# Altium PCB BT612-4-V1.0.PcbDoc (part 3 of 3)
Units mil, origin at the board's own origin, x right, y up, seen from the top; angles counter-clockwise.
Board outline 2224.41 x 905.51 mil, 2 copper layers (Top Layer, Bottom Layer); 57 components, 46 nets, 209 pads, 231 vias.
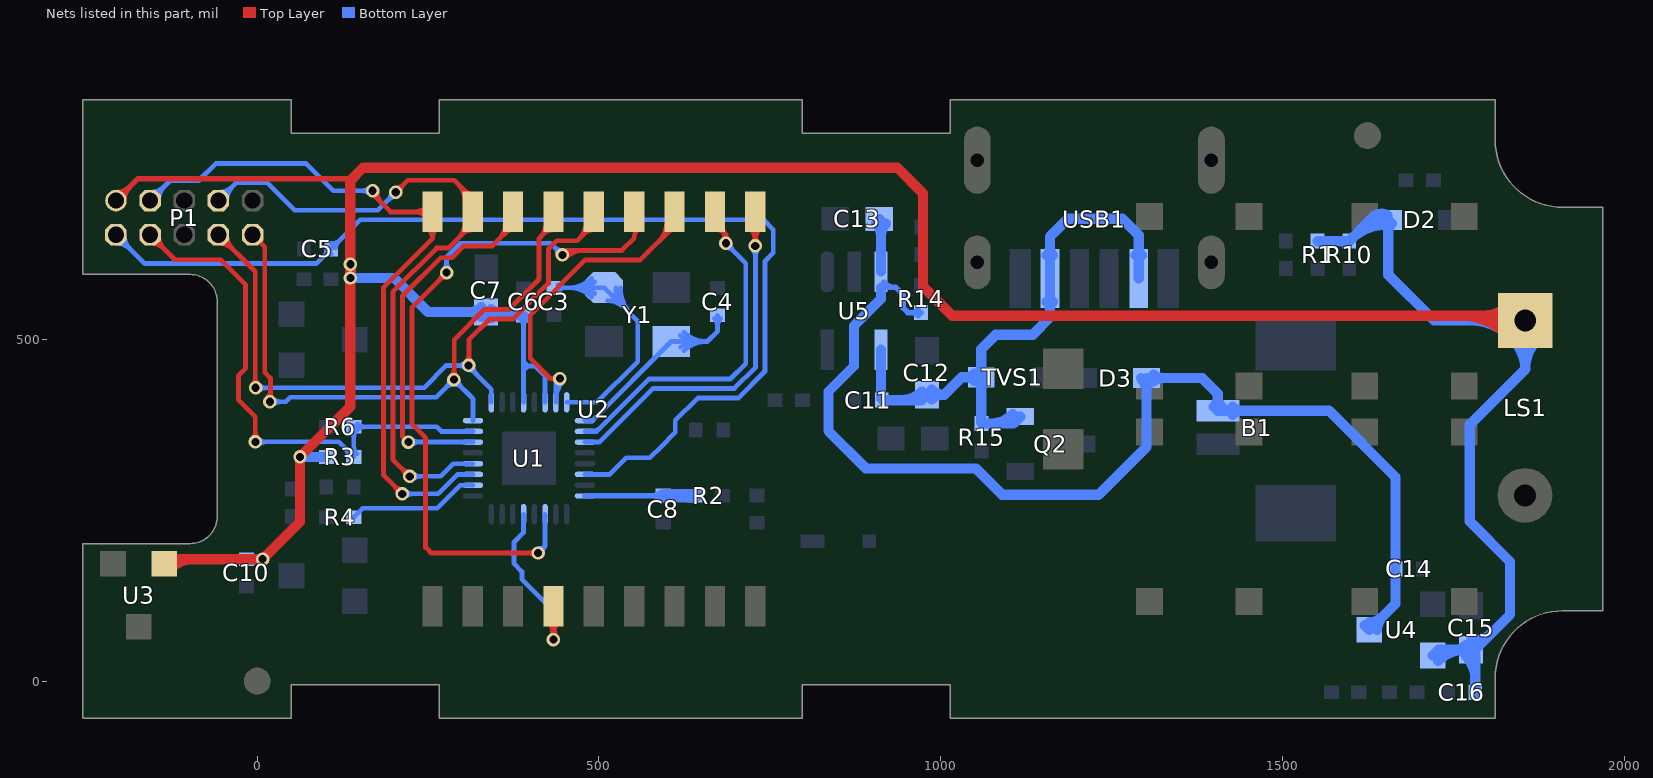
[diagram p3: the nets of this part, all layers, seen from the top]

## Via types
v1: diameter 19.68, hole 11.81, Top Layer to Bottom Layer, tented both sides, 231 vias

## Nets (pads, with @x,y where several pads share a name; then routed paths per layer and width w, separated by ;. In a path a pad name is that pad's centre, name@x,y a point inside that pad or via, vN(x,y) a via of type N, cw(c..) or ccw(c..) an arc to the next point about the centre after c; other vN are vias at no path point) (continued)
PIN4: U1.29 U2.4 | length 630.5
  Top Layer w7: v1@433.47,61.02 U2.4@433.47,109.64 ; U2.4@425.5,86.92 cw(c406.27,67.69) v1@433.47,67.69 ; U2.4@425.5,86.92 cw(c406.27,67.69) v1@433.47,67.69 ; U2.4@425.5,86.92 cw(c406.27,67.69) v1@433.47,67.69 ; v1@428.98,65.11 ccw(c418.15,75.94) 433.47,75.94 ; v1@428.98,65.11 ccw(c418.15,75.94) 433.47,75.94 ; v1@428.98,65.11 ccw(c418.15,75.94) 433.47,75.94 ; v1@428.98,65.11 ccw(c418.15,75.94) 433.47,75.94 ; v1@428.98,65.11 ccw(c418.15,75.94) 433.47,75.94 ; v1@433.47,67.69 cw(c460.66,67.69) U2.4@441.43,86.92 ; v1@433.47,67.69 cw(c460.66,67.69) U2.4@441.43,86.92 ; v1@433.47,67.69 cw(c460.66,67.69) U2.4@441.43,86.92 ; 433.47,75.94 ccw(c448.78,75.94) v1@437.95,65.11 ; 433.47,75.94 ccw(c448.78,75.94) v1@437.95,65.11 ; 433.47,75.94 ccw(c448.78,75.94) v1@437.95,65.11 ; 433.47,75.94 ccw(c448.78,75.94) v1@437.95,65.11 ; 433.47,75.94 ccw(c448.78,75.94) v1@437.95,65.11
  Bottom Layer w7: U1.29@389.77,244.1 389.77,217.47 375.76,203.47 375.76,171.76 387.31,160.22 387.31,148.91 433.47,102.76 v1(433.47,60.63) ; v1@428.98,65.11 ccw(c418.15,75.94) 433.47,75.94 ; v1@428.98,65.11 ccw(c418.15,75.94) 433.47,75.94 ; v1@428.98,65.11 ccw(c418.15,75.94) 433.47,75.94 ; v1@428.98,65.11 ccw(c418.15,75.94) 433.47,75.94 ; v1@428.98,65.11 ccw(c418.15,75.94) 433.47,75.94 ; 433.47,75.94 ccw(c448.78,75.94) v1@437.95,65.11 ; 433.47,75.94 ccw(c448.78,75.94) v1@437.95,65.11 ; 433.47,75.94 ccw(c448.78,75.94) v1@437.95,65.11 ; 433.47,75.94 ccw(c448.78,75.94) v1@437.95,65.11 ; 433.47,75.94 ccw(c448.78,75.94) v1@437.95,65.11
PIN10: U1.19 U2.10 | length 883.3
  Top Layer w7: v1(728.74,636.61) U2.10@728.74,686.42 U2.10@728.74,670.08 ; U2.10@720.78,663.69 cw(c701.55,644.46) v1@728.74,644.46 ; U2.10@720.78,663.69 cw(c701.55,644.46) v1@728.74,644.46 ; U2.10@720.78,663.69 cw(c701.55,644.46) v1@728.74,644.46 ; v1@724.26,641.1 ccw(c713.43,651.93) 728.74,651.93 ; v1@724.26,641.1 ccw(c713.43,651.93) 728.74,651.93 ; v1@724.26,641.1 ccw(c713.43,651.93) 728.74,651.93 ; v1@724.26,641.1 ccw(c713.43,651.93) 728.74,651.93 ; v1@724.26,641.1 ccw(c713.43,651.93) 728.74,651.93 ; v1@728.74,644.46 cw(c755.93,644.46) U2.10@736.71,663.69 ; v1@728.74,644.46 cw(c755.93,644.46) U2.10@736.71,663.69 ; v1@728.74,644.46 cw(c755.93,644.46) U2.10@736.71,663.69 ; 728.74,651.93 ccw(c744.05,651.93) v1@733.23,641.1 ; 728.74,651.93 ccw(c744.05,651.93) v1@733.23,641.1 ; 728.74,651.93 ccw(c744.05,651.93) v1@733.23,641.1 ; 728.74,651.93 ccw(c744.05,651.93) v1@733.23,641.1 ; 728.74,651.93 ccw(c744.05,651.93) v1@733.23,641.1
  Bottom Layer w7: U1.19@479.53,349.6 500.67,349.6 579.19,428.13 698.32,428.13 728.96,458.77 728.96,636.39 v1(728.74,636.61) ; v1@724.26,632.13 cw(c712.9,620.77) 728.96,620.77 ; v1@724.26,632.13 cw(c712.9,620.77) 728.96,620.77 ; v1@724.26,632.13 cw(c712.9,620.77) 728.96,620.77 ; v1@724.26,632.13 cw(c712.9,620.77) 728.96,620.77 ; 728.96,621.83 cw(c743.52,621.83) v1@733.23,632.13 ; 728.96,621.83 cw(c743.52,621.83) v1@733.23,632.13 ; 728.96,621.83 cw(c743.52,621.83) v1@733.23,632.13 ; 728.96,621.83 cw(c743.52,621.83) v1@733.23,632.13
PIN11: U1.18 U2.11 | length 980.1
  Top Layer w7: U2.11@669.69,686.42 669.69,669.69 685.83,653.54 ; v1(685.83,640.55) 685.83,653.54 ; U2.11@670.04,660.39 cw(c670.66,640.34) 684.84,654.53 ; U2.11@670.04,660.39 cw(c670.66,640.34) 684.84,654.53 ; U2.11@670.04,660.39 cw(c670.66,640.34) 684.84,654.53 ; U2.11@677.76,661.61 cw(c656.71,640.55) v1@686.49,640.55 ; U2.11@677.76,661.61 cw(c656.71,640.55) v1@686.49,640.55 ; U2.11@677.76,661.61 cw(c656.71,640.55) v1@686.49,640.55 ; U2.11@677.76,661.61 cw(c656.71,640.55) v1@686.49,640.55 ; U2.11@677.76,661.61 cw(c656.71,640.55) v1@686.49,640.55 ; U2.11@680.66,669.12 ccw(c695.91,665.59) 684.84,654.53 ; U2.11@680.66,669.12 ccw(c695.91,665.59) 684.84,654.53 ; U2.11@680.66,669.12 ccw(c695.91,665.59) 684.84,654.53 ; v1@681.93,645.55 ccw(c675.69,653.54) 685.83,653.54 ; v1@681.93,645.55 ccw(c675.69,653.54) 685.83,653.54 ; v1@681.93,645.55 ccw(c675.69,653.54) 685.83,653.54 ; v1@681.93,645.55 ccw(c675.69,653.54) 685.83,653.54 ; v1@681.93,645.55 ccw(c675.69,653.54) 685.83,653.54 ; 685.83,653.54 ccw(c695.96,653.54) v1@689.73,645.55 ; 685.83,653.54 ccw(c695.96,653.54) v1@689.73,645.55 ; 685.83,653.54 ccw(c695.96,653.54) v1@689.73,645.55 ; 685.83,653.54 ccw(c695.96,653.54) v1@689.73,645.55 ; 685.83,653.54 ccw(c695.96,653.54) v1@689.73,645.55
  Bottom Layer w7: U1.18@479.53,365.35 496.62,365.35 573.4,442.13 692.52,442.13 714.96,464.57 714.96,611.42 v1(685.83,640.55) ; U1.18@490.55,365.79 ccw(c490.55,381.5) 501.66,370.39 ; U1.18@490.55,365.79 ccw(c490.55,381.5) 501.66,370.39 ; U1.18@490.55,365.79 ccw(c490.55,381.5) 501.66,370.39 ; v1@685.83,634.21 cw(c685.83,618.9) 696.66,629.72 ; v1@685.83,634.21 cw(c685.83,618.9) 696.66,629.72 ; v1@685.83,634.21 cw(c685.83,618.9) 696.66,629.72 ; v1@685.83,634.21 cw(c685.83,618.9) 696.66,629.72 ; v1@685.83,634.21 cw(c685.83,618.9) 696.66,629.72 ; v1@692.17,640.55 ccw(c707.48,640.55) 696.66,629.72 ; v1@692.17,640.55 ccw(c707.48,640.55) 696.66,629.72 ; v1@692.17,640.55 ccw(c707.48,640.55) 696.66,629.72 ; v1@692.17,640.55 ccw(c707.48,640.55) 696.66,629.72 ; v1@692.17,640.55 ccw(c707.48,640.55) 696.66,629.72
PIN12: U1.15 U2.12 | length 833.8
  Top Layer w7: v1(442.91,442.52) 429.14,442.52 ; U2.12@610.63,686.42 610.63,666.54 560.24,616.14 480.31,616.14 399.61,535.43 399.61,472.05 429.14,442.52 ; 429.14,442.52 cw(c429.14,430.72) v1@438.1,438.4 ; 429.14,442.52 ccw(c429.14,454.32) v1@438.1,446.64 ; 429.14,442.52 cw(c429.14,430.72) v1@438.1,438.4 ; 429.14,442.52 ccw(c429.14,454.32) v1@438.1,446.64 ; 429.14,442.52 cw(c429.14,430.72) v1@438.1,438.4 ; 429.14,442.52 ccw(c429.14,454.32) v1@438.1,446.64 ; 429.14,442.52 cw(c429.14,430.72) v1@438.1,438.4 ; 429.14,442.52 ccw(c429.14,454.32) v1@438.1,446.64 ; 429.14,442.52 cw(c429.14,430.72) v1@438.1,438.4 ; 429.14,442.52 ccw(c429.14,454.32) v1@438.1,446.64 ; 587.78,643.69 ccw(c559.82,671.65) 599.37,671.65 cw(c559.82,671.65) 587.78,643.69 ; 599.73,655.64 ccw(c583.72,671.65) 606.37,671.65 cw(c583.72,671.65) 599.73,655.64 ; 600.14,656.04 cw(c610.63,645.55) 610.63,660.39 ccw(c610.63,645.55) 600.14,656.04
  Bottom Layer w7: U1.15@437.01,407.87 437.01,436.62 v1(442.91,442.52) ; U1.15@437.01,412.96 cw(c472.48,412.96) v1@447.4,438.03 ; U1.15@437.01,412.96 cw(c472.48,412.96) v1@447.4,438.03 ; U1.15@437.01,412.96 cw(c472.48,412.96) v1@447.4,438.03 ; U1.15@437.01,412.96 cw(c472.48,412.96) v1@447.4,438.03 ; 437.01,429.85 cw(c455.58,429.85) v1@442.45,442.98 ; 437.01,429.85 cw(c455.58,429.85) v1@442.45,442.98 ; 437.01,429.85 cw(c455.58,429.85) v1@442.45,442.98 ; 437.01,429.85 cw(c455.58,429.85) v1@442.45,442.98
PIN13: U1.27 U2.13 | length 1318.6
  Top Layer w7: v1(277.17,597.64) 226.6,547.07 226.6,375.76 246.34,356.02 246.34,195.61 254.55,187.4 318.11,187.4 v1(411.02,187.4) ; v1@452.98,630.14 533.69,630.14 551.58,648.03 cw(c570.71,648.03) U2.13@558.67,662.9 ; 266.34,586.81 cw(c277.17,575.98) 277.17,591.3 ccw(c277.17,575.98) 266.34,586.81 ; 266.34,586.81 ccw(c255.51,597.64) 270.82,597.64 cw(c255.51,597.64) 266.34,586.81 ; 395.71,187.4 cw(c395.71,172.09) 406.54,182.92 ccw(c395.71,172.09) 395.71,187.4 ; 395.71,187.4 ccw(c395.71,202.71) 406.54,191.89 cw(c395.71,202.71) 395.71,187.4 ; v1@445.99,624.09 cw(c460.61,609.47) 460.61,630.14 ccw(c460.61,609.47) v1@445.99,624.09 ; v1@450.94,619.14 cw(c477.51,592.57) 477.51,630.14 ccw(c477.51,592.57) v1@450.94,619.14
  Bottom Layer w7: v1(277.17,597.64) 277.17,620.47 297.24,640.55 429.53,640.55 v1(446.46,623.62) ; v1(411.02,187.4) 421.26,197.63 ; U1.27@421.26,244.09 421.26,197.63 ; 277.17,612.95 cw(c261.85,612.95) 272.68,602.12 ccw(c261.85,612.95) 277.17,612.95 ; 277.17,612.95 ccw(c292.48,612.95) 281.65,602.12 cw(c292.48,612.95) 277.17,612.95 ; 421.26,197.63 cw(c411.83,207.07) 411.28,193.74 ccw(c411.83,207.07) 421.26,197.63 ; 421.26,197.63 ccw(c430.69,188.2) 417.36,187.66 cw(c430.69,188.2) 421.26,197.63 ; 435.63,634.45 cw(c424.8,623.62) 440.11,623.62 ccw(c424.8,623.62) 435.63,634.45 ; 435.63,634.45 ccw(c446.46,645.28) 446.46,629.96 cw(c446.46,645.28) 435.63,634.45
PIN14#UART_RX: P1.8 U1.9 U2.14 | length 1659
  Top Layer w7: P1.8@-56.69,652.95 -2.98,599.24 v1@-2.98,429.13 ; v1@309.84,461.42 309.84,499.61 339.89,529.66 374.03,529.66 426.11,581.74 426.11,632.05 438.21,644.14 468.16,644.14 492.52,668.5 U2.14@492.52,686.42 ; P1.8@-56.69,640.7 cw(c-56.69,611.14) -35.78,632.04 ; P1.8@-56.69,640.7 cw(c-56.69,611.14) -35.78,632.04 ; P1.8@-56.69,640.7 cw(c-56.69,611.14) -35.78,632.04 ; P1.8@-44.44,652.95 ccw(c-14.88,652.95) -35.78,632.04 ; P1.8@-44.44,652.95 ccw(c-14.88,652.95) -35.78,632.04 ; P1.8@-44.44,652.95 ccw(c-14.88,652.95) -35.78,632.04 ; v1@-6.85,433.62 ccw(c-16.19,442.96) -2.98,442.96 ; v1@-6.85,433.62 ccw(c-16.19,442.96) -2.98,442.96 ; v1@-6.85,433.62 ccw(c-16.19,442.96) -2.98,442.96 ; -2.98,445.93 ccw(c14.43,445.93) v1@2.12,433.62 ; -2.98,445.93 ccw(c14.43,445.93) v1@2.12,433.62 ; -2.98,445.93 ccw(c14.43,445.93) v1@2.12,433.62 ; v1@304.96,466.3 ccw(c293.18,478.08) 309.84,478.08 ; v1@304.96,466.3 ccw(c293.18,478.08) 309.84,478.08 ; v1@304.96,466.3 ccw(c293.18,478.08) 309.84,478.08 ; 309.84,476.17 ccw(c323.81,476.17) v1@313.93,466.3 ; 309.84,476.17 ccw(c323.81,476.17) v1@313.93,466.3 ; 309.84,476.17 ccw(c323.81,476.17) v1@313.93,466.3 ; 471.07,647.05 ccw(c446.46,671.65) U2.14@481.26,671.65 ; 471.07,647.05 ccw(c446.46,671.65) U2.14@481.26,671.65 ; 471.07,647.05 ccw(c446.46,671.65) U2.14@481.26,671.65 ; 478.67,654.65 cw(c492.52,640.79) U2.14@492.52,660.39 ; 478.67,654.65 cw(c492.52,640.79) U2.14@492.52,660.39 ; 478.67,654.65 cw(c492.52,640.79) U2.14@492.52,660.39 ; U2.14@483.02,659 ccw(c470.36,671.65) U2.14@488.26,671.65 ; U2.14@483.02,659 ccw(c470.36,671.65) U2.14@488.26,671.65 ; U2.14@483.02,659 ccw(c470.36,671.65) U2.14@488.26,671.65
  Bottom Layer w7: v1(-2.36,429.13) 244.09,429.13 276.77,461.81 v1(309.45,461.81) 309.45,460.12 342.52,427.05 U1.9@342.52,407.87 U1.9@342.52,419.15 ; v1@2.12,424.65 cw(c12.95,413.82) 12.95,429.13 ; v1@2.12,424.65 cw(c12.95,413.82) 12.95,429.13 ; v1@2.12,424.65 cw(c12.95,413.82) 12.95,429.13 ; v1@2.12,433.62 ccw(c12.95,444.45) 12.95,429.13 ; v1@2.12,433.62 ccw(c12.95,444.45) 12.95,429.13 ; v1@2.12,433.62 ccw(c12.95,444.45) 12.95,429.13 ; 294.14,461.81 cw(c294.14,446.5) v1@304.96,457.33 ; 294.14,461.81 ccw(c294.14,477.12) v1@304.96,466.3 ; 294.14,461.81 cw(c294.14,446.5) v1@304.96,457.33 ; 294.14,461.81 ccw(c294.14,477.12) v1@304.96,466.3 ; 294.14,461.81 cw(c294.14,446.5) v1@304.96,457.33 ; 294.14,461.81 ccw(c294.14,477.12) v1@304.96,466.3 ; v1@309.45,455.47 cw(c309.45,444.23) 317.39,452.18 ; v1@309.45,455.47 cw(c309.45,444.23) 317.39,452.18 ; v1@309.45,455.47 cw(c309.45,444.23) 317.39,452.18 ; v1@315.79,461.81 ccw(c335.18,461.81) 321.47,448.1 ; v1@315.79,461.81 ccw(c335.18,461.81) 321.47,448.1 ; v1@315.79,461.81 ccw(c335.18,461.81) 321.47,448.1
PIN15#UART_TX: P1.10 U1.8 U2.15 | length 1392.6
  Top Layer w7: P1.10@-6.69,652.95 11.02,635.24 11.02,451.57 19.29,443.31 v1@19.29,408.66 ; v1@288.19,440.94 288.19,499.61 332.24,543.66 368.23,543.66 412.11,587.54 412.11,647.15 433.47,668.51 U2.15@433.47,686.42 ; v1@14.02,413.15 ccw(c1.29,425.87) 19.29,425.87 ; v1@14.02,413.15 ccw(c1.29,425.87) 19.29,425.87 ; v1@14.02,413.15 ccw(c1.29,425.87) 19.29,425.87 ; 19.29,422.07 ccw(c31.92,422.07) v1@22.99,413.15 ; 19.29,422.07 ccw(c31.92,422.07) v1@22.99,413.15 ; 19.29,422.07 ccw(c31.92,422.07) v1@22.99,413.15 ; 413.69,648.73 ccw(c392.99,669.43) U2.15@422.22,671.03 ; 413.69,648.73 ccw(c392.99,669.43) U2.15@422.22,671.03 ; 413.69,648.73 ccw(c392.99,669.43) U2.15@422.22,671.03 ; 419.61,654.65 cw(c433.47,640.79) U2.15@433.47,660.39 ; 419.61,654.65 cw(c433.47,640.79) U2.15@433.47,660.39 ; 419.61,654.65 cw(c433.47,640.79) U2.15@433.47,660.39 ; v1@283.31,445.43 ccw(c271.53,457.21) 288.19,457.21 cw(c271.53,457.21) v1@283.31,445.43 ; 288.19,455.31 ccw(c302.16,455.31) 292.28,445.43 cw(c302.16,455.31) 288.19,455.31
  Bottom Layer w7: v1(18.5,408.66) 41.95,408.66 48.43,415.13 261.99,415.13 v1(287.8,440.94) 315.75,412.99 U1.8@315.75,381.11 ; v1@22.99,404.18 cw(c33.82,393.35) 33.82,408.66 ; v1@22.99,404.18 cw(c33.82,393.35) 33.82,408.66 ; v1@22.99,404.18 cw(c33.82,393.35) 33.82,408.66 ; v1@22.99,413.15 ccw(c33.82,423.97) 33.82,408.66 ; v1@22.99,413.15 ccw(c33.82,423.97) 33.82,408.66 ; v1@22.99,413.15 ccw(c33.82,423.97) 33.82,408.66 ; 276.97,430.12 cw(c287.8,419.29) v1@287.8,434.6 ; 276.97,430.12 ccw(c266.14,440.94) v1@281.45,440.94 ; 276.97,430.12 cw(c287.8,419.29) v1@287.8,434.6 ; 276.97,430.12 ccw(c266.14,440.94) v1@281.45,440.94 ; 276.97,430.12 cw(c287.8,419.29) v1@287.8,434.6 ; 276.97,430.12 ccw(c266.14,440.94) v1@281.45,440.94 ; v1@287.8,434.6 cw(c287.8,419.29) 298.62,430.12 ; v1@287.8,434.6 cw(c287.8,419.29) 298.62,430.12 ; v1@287.8,434.6 cw(c287.8,419.29) 298.62,430.12 ; v1@294.14,440.94 ccw(c309.45,440.94) 298.62,430.12 ; v1@294.14,440.94 ccw(c309.45,440.94) 298.62,430.12 ; v1@294.14,440.94 ccw(c309.45,440.94) 298.62,430.12
PIN16: U1.6 U2.16 | length 752.5
  Top Layer w7: 213.76,356.32 ccw(c225,367.56) v1@225,351.66 ; v1@214.34,355.74 cw(c203.92,345.32) v1@218.66,345.32 ; v1(221.26,349.61) 220.47,349.61 212.6,357.48 212.6,563.77 268.29,619.46 285.33,619.46 302.48,636.61 344.1,636.61 374.41,666.93 U2.16@374.41,686.42 ; 351.84,644.36 ccw(c324.55,671.65) 363.15,671.65 cw(c324.55,671.65) 351.84,644.36 ; 363.24,655.76 cw(c374.41,644.6) 374.41,660.39 ccw(c374.41,644.6) 363.24,655.76 ; 363.79,656.31 ccw(c348.45,671.65) 370.15,671.65 cw(c348.45,671.65) 363.79,656.31
  Bottom Layer w7: v1(221.26,349.61) U1.6@315.75,349.61 ; v1@225.74,345.12 cw(c236.57,334.29) 236.57,349.61 ; v1@225.74,345.12 cw(c236.57,334.29) 236.57,349.61 ; v1@225.74,345.12 cw(c236.57,334.29) 236.57,349.61 ; v1@225.74,354.09 ccw(c236.57,364.92) 236.57,349.61 ; v1@225.74,354.09 ccw(c236.57,364.92) 236.57,349.61 ; v1@225.74,354.09 ccw(c236.57,364.92) 236.57,349.61
PIN17#SWCLK: P1.7 U1.4 U2.17 | length 1726.1
  Top Layer w7: v1@202.76,711.42 v1(202.76,715.18) 220.47,732.9 288.36,732.9 315.36,705.91 U2.17@315.36,686.42 ; v1@223.11,299.49 198.6,324 198.6,569.57 262.49,633.46 279.53,633.46 U2.17@315.36,669.29 ; v1@202.76,721.52 ccw(c202.76,736.84) 213.58,726.01 ; v1@202.76,721.52 ccw(c202.76,736.84) 213.58,726.01 ; v1@202.76,721.52 ccw(c202.76,736.84) 213.58,726.01 ; v1@209.1,715.18 cw(c224.41,715.18) 213.58,726.01 ; v1@209.1,715.18 cw(c224.41,715.18) 213.58,726.01 ; v1@209.1,715.18 cw(c224.41,715.18) 213.58,726.01 ; 211.99,310.6 ccw(c223.23,321.84) v1@223.23,305.95 ; 211.99,310.6 ccw(c223.23,321.84) v1@223.23,305.95 ; 211.99,310.6 ccw(c223.23,321.84) v1@223.23,305.95 ; 212.57,310.02 cw(c202.15,299.61) v1@216.89,299.61 ; 212.57,310.02 cw(c202.15,299.61) v1@216.89,299.61 ; 212.57,310.02 cw(c202.15,299.61) v1@216.89,299.61 ; 292.78,728.48 cw(c265.49,701.18) U2.17@304.09,701.18 ; 292.78,728.48 cw(c265.49,701.18) U2.17@304.09,701.18 ; 292.78,728.48 cw(c265.49,701.18) U2.17@304.09,701.18 ; 294.46,648.39 ccw(c271.2,671.65) U2.17@304.09,671.65 ; 294.46,648.39 ccw(c271.2,671.65) U2.17@304.09,671.65 ; 294.46,648.39 ccw(c271.2,671.65) U2.17@304.09,671.65 ; 300.16,654.09 cw(c315.36,638.89) U2.17@315.36,660.39 ; 300.16,654.09 cw(c315.36,638.89) U2.17@315.36,660.39 ; 300.16,654.09 cw(c315.36,638.89) U2.17@315.36,660.39 ; 304.2,717.07 ccw(c315.36,728.23) U2.17@315.36,712.44 ; 304.2,717.07 ccw(c315.36,728.23) U2.17@315.36,712.44 ; 304.2,717.07 ccw(c315.36,728.23) U2.17@315.36,712.44 ; 304.73,716.53 cw(c289.39,701.18) U2.17@311.09,701.18 ; 304.73,716.53 cw(c289.39,701.18) U2.17@311.09,701.18 ; 304.73,716.53 cw(c289.39,701.18) U2.17@311.09,701.18
  Bottom Layer w7: P1.7@-56.69,702.95 -30.44,729.2 14.5,729.2 54.72,688.98 176.55,688.98 v1(202.76,715.18) ; v1(223.23,299.61) 268.51,299.61 287.01,318.12 U1.4@315.74,318.12 ; P1.7@-56.69,715.2 ccw(c-56.69,744.77) -35.78,723.86 ; P1.7@-56.69,715.2 ccw(c-56.69,744.77) -35.78,723.86 ; P1.7@-56.69,715.2 ccw(c-56.69,744.77) -35.78,723.86 ; P1.7@-44.44,702.95 cw(c-14.88,702.95) -35.78,723.86 ; P1.7@-44.44,702.95 cw(c-14.88,702.95) -35.78,723.86 ; P1.7@-44.44,702.95 cw(c-14.88,702.95) -35.78,723.86 ; 191.93,704.35 cw(c202.76,693.53) v1@202.76,708.84 ; 191.93,704.35 ccw(c181.1,715.18) v1@196.41,715.18 ; 191.93,704.35 cw(c202.76,693.53) v1@202.76,708.84 ; 191.93,704.35 ccw(c181.1,715.18) v1@196.41,715.18 ; 191.93,704.35 cw(c202.76,693.53) v1@202.76,708.84 ; 191.93,704.35 ccw(c181.1,715.18) v1@196.41,715.18 ; v1@227.71,295.12 cw(c238.54,284.29) 238.54,299.61 ; v1@227.71,295.12 cw(c238.54,284.29) 238.54,299.61 ; v1@227.71,295.12 cw(c238.54,284.29) 238.54,299.61 ; v1@227.71,304.09 ccw(c238.54,314.92) 238.54,299.61 ; v1@227.71,304.09 ccw(c238.54,314.92) 238.54,299.61 ; v1@227.71,304.09 ccw(c238.54,314.92) 238.54,299.61
PIN18#SWDIO: P1.3 U1.3 U2.18 | length 1698.5
  Top Layer w7: v1(168.84,717.38) 168.84,712.66 195.08,686.42 U2.18@256.3,686.42 ; v1(212.2,274.02) 184.6,301.62 184.6,575.37 256.3,647.07 ; U2.18@256.3,700.39 U2.18@256.3,686.42 ; v1@175.18,717.38 ccw(c201.9,717.38) 183.01,698.49 ; v1@175.18,717.38 ccw(c201.9,717.38) 183.01,698.49 ; v1@175.18,717.38 ccw(c201.9,717.38) 183.01,698.49 ; 201.38,284.84 cw(c190.55,274.02) v1@205.86,274.02 ; 201.38,284.84 ccw(c212.2,295.67) v1@212.2,280.36 ; 201.38,284.84 cw(c190.55,274.02) v1@205.86,274.02 ; 201.38,284.84 ccw(c212.2,295.67) v1@212.2,280.36 ; 201.38,284.84 cw(c190.55,274.02) v1@205.86,274.02 ; 201.38,284.84 ccw(c212.2,295.67) v1@212.2,280.36 ; 229.11,686.42 cw(c229.11,659.22) U2.18@248.34,678.45 ; 229.11,686.42 ccw(c229.11,713.61) U2.18@248.34,694.38 ; 229.11,686.42 cw(c229.11,659.22) U2.18@248.34,678.45 ; 229.11,686.42 ccw(c229.11,713.61) U2.18@248.34,694.38 ; 229.11,686.42 cw(c229.11,659.22) U2.18@248.34,678.45 ; 229.11,686.42 ccw(c229.11,713.61) U2.18@248.34,694.38 ; U2.18@248.95,663.12 cw(c235.12,647.08) 256.3,647.08 ; U2.18@248.95,663.12 cw(c235.12,647.08) 256.3,647.08 ; U2.18@248.95,663.12 cw(c235.12,647.08) 256.3,647.08 ; 256.3,647.08 cw(c277.48,647.08) U2.18@263.65,663.12 ; 256.3,647.08 cw(c277.48,647.08) U2.18@263.65,663.12 ; 256.3,647.08 cw(c277.48,647.08) U2.18@263.65,663.12 ; 256.3,647.07 U2.18@256.3,686.42
  Bottom Layer w7: P1.3@-156.69,702.95 -127.26,732.38 -85.53,732.38 -60.72,757.2 71.54,757.2 111.36,717.38 v1(168.84,717.38) ; v1@164.36,712.89 ccw(c153.53,702.07) 153.53,717.38 ccw(c153.53,732.69) v1@164.36,721.86 ; v1(212.2,274.02) 264.85,274.02 293.2,302.37 U1.3@315.75,302.37 ; P1.3@-156.69,715.2 ccw(c-156.69,744.77) -135.78,723.86 ; P1.3@-156.69,715.2 ccw(c-156.69,744.77) -135.78,723.86 ; P1.3@-156.69,715.2 ccw(c-156.69,744.77) -135.78,723.86 ; P1.3@-144.44,702.95 cw(c-114.88,702.95) -135.78,723.86 ; P1.3@-144.44,702.95 cw(c-114.88,702.95) -135.78,723.86 ; P1.3@-144.44,702.95 cw(c-114.88,702.95) -135.78,723.86 ; 155.18,717.38 cw(c155.18,705.83) 164,713.29 ccw(c155.18,705.83) 155.18,717.38 ; 155.18,717.38 ccw(c155.18,728.93) 164,721.47 cw(c155.18,728.93) 155.18,717.38 ; v1@216.69,269.53 cw(c227.52,258.7) 227.52,274.02 ; v1@216.69,269.53 cw(c227.52,258.7) 227.52,274.02 ; v1@216.69,269.53 cw(c227.52,258.7) 227.52,274.02 ; v1@216.69,278.5 ccw(c227.52,289.33) 227.52,274.02 ; v1@216.69,278.5 ccw(c227.52,289.33) 227.52,274.02 ; v1@216.69,278.5 ccw(c227.52,289.33) 227.52,274.02
RF: C8.1 R2.2 U1.24 | length 229
  Bottom Layer w8: U1.24@479.53,270.86 C8.1@594.09,270.86 ; 576.89,270.86 ccw(c576.89,287.78) C8.1@588.85,275.82 ; 576.89,270.86 ccw(c576.89,287.78) C8.1@588.85,275.82 ; 576.89,270.86 ccw(c576.89,287.78) C8.1@588.85,275.82 ; 580.33,270.86 cw(c580.33,258.81) C8.1@588.85,267.33 ; 580.33,270.86 cw(c580.33,258.81) C8.1@588.85,267.33 ; 580.33,270.86 cw(c580.33,258.81) C8.1@588.85,267.33
  Bottom Layer w20: C8.1@594.49,271.26 R2.2@640.63,271.26
RST_N: C5.1 P1.2 U1.22 | length 1855.1
  Bottom Layer w7: P1.2@-206.69,652.95 -164.52,610.78 46.85,610.78 ; 78.81,610.78 46.85,610.78 ; U1.22@479.53,302.36 515.75,302.36 540.16,326.77 574.66,326.77 590.11,342.22 590.25,342.22 611.81,363.78 611.81,381.5 644.44,414.13 704.12,414.13 742.96,452.97 742.96,614.22 755.12,626.38 755.12,660.63 740.91,674.84 150.75,674.84 C5.1@108.19,632.28 86.69,610.78 46.85,610.78 ; P1.2@-206.69,640.7 cw(c-206.69,611.14) -185.78,632.04 ; P1.2@-206.69,640.7 cw(c-206.69,611.14) -185.78,632.04 ; P1.2@-206.69,640.7 cw(c-206.69,611.14) -185.78,632.04 ; P1.2@-194.44,652.95 ccw(c-164.88,652.95) -185.78,632.04 ; P1.2@-194.44,652.95 ccw(c-164.88,652.95) -185.78,632.04 ; P1.2@-194.44,652.95 ccw(c-164.88,652.95) -185.78,632.04 ; 95.39,619.48 cw(c108.19,606.68) C5.1@108.19,624.78 ; 95.39,619.48 cw(c108.19,606.68) C5.1@108.19,624.78 ; 95.39,619.48 cw(c108.19,606.68) C5.1@108.19,624.78 ; 97.8,621.89 ccw(c88.41,631.28) C5.1@101.69,631.28 ; 97.8,621.89 ccw(c88.41,631.28) C5.1@101.69,631.28 ; 97.8,621.89 ccw(c88.41,631.28) C5.1@101.69,631.28 ; C5.1@108.19,639.78 ccw(c108.19,657.89) 120.99,645.09 cw(c108.19,657.89) C5.1@108.19,639.78 ; C5.1@114.69,633.28 cw(c127.97,633.28) 118.58,642.67 ccw(c127.97,633.28) C5.1@114.69,633.28
TM: P1.4 R3.2 R6.2 U1.7 | length 1248.1
  Top Layer w7: P1.4@-156.69,652.95 -120.28,616.54 -53.54,616.54 -16.98,579.97 -16.98,457.43 -27.17,447.24 -27.17,410.99 -2.76,386.58 v1(-2.76,350) ; P1.4@-156.69,640.7 cw(c-156.69,611.14) -135.78,632.04 ; P1.4@-156.69,640.7 cw(c-156.69,611.14) -135.78,632.04 ; P1.4@-156.69,640.7 cw(c-156.69,611.14) -135.78,632.04 ; P1.4@-144.44,652.95 ccw(c-114.88,652.95) -135.78,632.04 ; P1.4@-144.44,652.95 ccw(c-114.88,652.95) -135.78,632.04 ; P1.4@-144.44,652.95 ccw(c-114.88,652.95) -135.78,632.04 ; v1@-7.24,354.48 ccw(c-18.07,365.31) -2.76,365.31 ; v1@-7.24,354.48 ccw(c-18.07,365.31) -2.76,365.31 ; v1@-7.24,354.48 ccw(c-18.07,365.31) -2.76,365.31 ; -2.76,365.31 ccw(c12.56,365.31) v1@1.73,354.48 ; -2.76,365.31 ccw(c12.56,365.31) v1@1.73,354.48 ; -2.76,365.31 ccw(c12.56,365.31) v1@1.73,354.48
  Bottom Layer w7: v1(-2.76,350) 119.21,350 R3.2@141.26,327.95 R6.2@141.26,372.05 ; 128.46,340.76 cw(c115.65,327.95) R3.2@133.76,327.95 ; 141.26,343.65 ccw(c156.95,343.65) R3.2@145.86,332.55 ; R6.2@141.26,373.31 R6.2@141.26,372.05 ; U1.7@315.75,365.36 269.48,365.36 262.79,372.05 R6.2@141.26,372.05 ; v1@1.73,345.52 cw(c12.56,334.69) 12.56,350 ; v1@1.73,345.52 cw(c12.56,334.69) 12.56,350 ; v1@1.73,345.52 cw(c12.56,334.69) 12.56,350 ; v1@1.73,354.48 ccw(c12.56,365.31) 12.56,350 ; v1@1.73,354.48 ccw(c12.56,365.31) 12.56,350 ; v1@1.73,354.48 ccw(c12.56,365.31) 12.56,350 ; R6.2@136.66,367.45 cw(c125.57,356.35) 141.26,356.35 ; R6.2@136.66,367.45 cw(c125.57,356.35) 141.26,356.35 ; R6.2@136.66,367.45 cw(c125.57,356.35) 141.26,356.35 ; 141.26,356.35 cw(c156.95,356.35) R6.2@145.86,367.45 ; 141.26,356.35 cw(c156.95,356.35) R6.2@145.86,367.45 ; 141.26,356.35 cw(c156.95,356.35) R6.2@145.86,367.45 ; R6.2@146.86,367.45 cw(c157.95,356.35) 157.95,372.05 ; R6.2@146.86,367.45 cw(c157.95,356.35) 157.95,372.05 ; R6.2@146.86,367.45 cw(c157.95,356.35) 157.95,372.05 ; R6.2@146.86,376.64 ccw(c157.95,387.74) 157.95,372.05 ; R6.2@146.86,376.64 ccw(c157.95,387.74) 157.95,372.05 ; R6.2@146.86,376.64 ccw(c157.95,387.74) 157.95,372.05
TTA_BL: R4.2 U1.2 | length 193.9
  Bottom Layer w7: R4.2@141.26,239.76 154.25,252.76 263.39,252.76 297.25,286.62 U1.2@315.75,286.62
V+: C11.2 C12.2 Q2.S R15.2 TVS1.2 U5.4 USB1.A9 USB1.B9 | length 1603.1
  Bottom Layer w15: U5.4@912.73,484.98 912.73,413.96 915.67,411.02 971.78,411.02 C12.2@979.85,419.1 1005.32,419.1 1030.71,444.49 TVS1.2@1059.35,444.49 ; R15.2@1059.35,379.16 TVS1.2@1059.35,444.49 ; R15.2@1059.84,376.69 1106.26,376.69 Q2.S@1116.42,386.85 ; USB1.A9@1289.76,588.98 1289.76,652.36 1265.75,676.38 1186.22,676.38 1159.84,650 USB1.B9@1159.84,588.98 1159.84,531.89 1134.65,506.69 1080.31,506.69 1059.35,485.73 TVS1.2@1059.35,444.49 ; 942.26,411.02 ccw(c942.26,454.19) C12.2@972.78,423.67 ; 942.26,411.02 ccw(c942.26,454.19) C12.2@972.78,423.67 ; 942.26,411.02 ccw(c942.26,454.19) C12.2@972.78,423.67 ; C12.2@986.92,412.02 cw(c1003.99,394.95) 1003.99,419.1 ; C12.2@986.92,412.02 cw(c1003.99,394.95) 1003.99,419.1 ; C12.2@986.92,412.02 cw(c1003.99,394.95) 1003.99,419.1 ; C12.2@986.92,426.17 ccw(c1003.99,443.24) 1003.99,419.1 ; C12.2@986.92,426.17 ccw(c1003.99,443.24) 1003.99,419.1 ; C12.2@986.92,426.17 ccw(c1003.99,443.24) 1003.99,419.1 ; 1036.89,444.49 cw(c1036.89,426.95) TVS1.2@1049.29,439.35 ; 1036.89,444.49 ccw(c1036.89,462.03) TVS1.2@1049.29,449.62 ; 1036.89,444.49 cw(c1036.89,426.95) TVS1.2@1049.29,439.35 ; 1036.89,444.49 ccw(c1036.89,462.03) TVS1.2@1049.29,449.62 ; 1036.89,444.49 cw(c1036.89,426.95) TVS1.2@1049.29,439.35 ; 1036.89,444.49 ccw(c1036.89,462.03) TVS1.2@1049.29,449.62 ; TVS1.2@1054.21,439.35 cw(c1041.81,426.95) 1059.35,426.95 ; TVS1.2@1054.21,439.35 cw(c1041.81,426.95) 1059.35,426.95 ; TVS1.2@1054.21,439.35 cw(c1041.81,426.95) 1059.35,426.95 ; TVS1.2@1054.21,449.62 ccw(c1041.81,462.03) 1059.35,462.03 ; TVS1.2@1054.21,449.62 ccw(c1041.81,462.03) 1059.35,462.03 ; TVS1.2@1054.21,449.62 ccw(c1041.81,462.03) 1059.35,462.03 ; 1059.35,426.95 cw(c1076.88,426.95) TVS1.2@1064.48,439.35 ; 1059.35,426.95 cw(c1076.88,426.95) TVS1.2@1064.48,439.35 ; 1059.35,426.95 cw(c1076.88,426.95) TVS1.2@1064.48,439.35 ; 1059.35,462.03 ccw(c1076.88,462.03) TVS1.2@1064.48,449.62 ; 1059.35,462.03 ccw(c1076.88,462.03) TVS1.2@1064.48,449.62 ; 1059.35,462.03 ccw(c1076.88,462.03) TVS1.2@1064.48,449.62 ; USB1.B9@1155.4,555.01 cw(c1144.68,544.29) 1159.84,544.29 ; USB1.B9@1155.4,555.01 cw(c1144.68,544.29) 1159.84,544.29 ; USB1.B9@1155.4,555.01 cw(c1144.68,544.29) 1159.84,544.29 ; USB1.B9@1155.4,622.94 ccw(c1144.68,633.66) 1159.84,633.66 ; USB1.B9@1155.4,622.94 ccw(c1144.68,633.66) 1159.84,633.66 ; USB1.B9@1155.4,622.94 ccw(c1144.68,633.66) 1159.84,633.66 ; 1159.84,544.29 cw(c1175,544.29) USB1.B9@1164.28,555.01 ; 1159.84,544.29 cw(c1175,544.29) USB1.B9@1164.28,555.01 ; 1159.84,544.29 cw(c1175,544.29) USB1.B9@1164.28,555.01 ; 1159.84,633.66 ccw(c1175,633.66) USB1.B9@1164.28,622.94 ; 1159.84,633.66 ccw(c1175,633.66) USB1.B9@1164.28,622.94 ; 1159.84,633.66 ccw(c1175,633.66) USB1.B9@1164.28,622.94 ; USB1.A9@1285.32,622.94 ccw(c1274.6,633.66) 1289.76,633.66 ; USB1.A9@1285.32,622.94 ccw(c1274.6,633.66) 1289.76,633.66 ; USB1.A9@1285.32,622.94 ccw(c1274.6,633.66) 1289.76,633.66 ; 1289.76,633.66 ccw(c1304.92,633.66) USB1.A9@1294.2,622.94 ; 1289.76,633.66 ccw(c1304.92,633.66) USB1.A9@1294.2,622.94 ; 1289.76,633.66 ccw(c1304.92,633.66) USB1.A9@1294.2,622.94 ; 1072.32,376.69 ccw(c1072.32,423.44) 1105.38,390.39 cw(c1072.32,423.44) 1072.32,376.69
VBAT: B1.1 C13.2 C14.2 D3.2 R14.2 U4.3 U5.3 | length 2411
  Bottom Layer w8: U5.3@912.73,575.98 934.33,575.98 ; R14.2@971.26,539.06 951.89,539.06 945.43,545.52 945.43,564.89 934.33,575.98 ; U5.3@916.98,583.47 ccw(c934.33,599.82) 934.33,575.98 ; U5.3@916.98,583.47 ccw(c934.33,599.82) 934.33,575.98 ; U5.3@916.98,583.47 ccw(c934.33,599.82) 934.33,575.98 ; 956.77,539.06 cw(c956.77,524.57) R14.2@967.02,534.81 ; 956.77,539.06 ccw(c956.77,553.54) R14.2@967.02,543.3 ; 956.77,539.06 cw(c956.77,524.57) R14.2@967.02,534.81 ; 956.77,539.06 ccw(c956.77,553.54) R14.2@967.02,543.3 ; 956.77,539.06 cw(c956.77,524.57) R14.2@967.02,534.81 ; 956.77,539.06 ccw(c956.77,553.54) R14.2@967.02,543.3
  Bottom Layer w15: C13.2@910.17,676.25 912.73,673.69 U5.3@912.73,599.15 ; U5.3@912.73,575.98 912.73,559.19 873.23,519.69 873.23,461.02 835.83,423.62 835.83,365.75 890.38,311.19 1051.41,311.19 1090.16,272.44 1231.1,272.44 1301.28,342.62 D3.2@1301.28,443.31 1382.68,443.31 1405.51,420.47 B1.1@1405.51,395.47 1568.31,395.47 1665.43,298.35 C14.2@1665.43,164.17 1665.43,112.87 U4.3@1627.36,74.8 U4.3@1620.67,81.5 ; D3.2@1293.01,443.31 D3.2@1297.15,439.17 ; C13.2@905.6,669.18 cw(c888.38,651.96) 912.73,651.96 ; C13.2@905.6,669.18 cw(c888.38,651.96) 912.73,651.96 ; C13.2@905.6,669.18 cw(c888.38,651.96) 912.73,651.96 ; 912.73,652.25 cw(c936.67,652.25) C13.2@919.74,669.18 ; 912.73,652.25 cw(c936.67,652.25) C13.2@919.74,669.18 ; 912.73,652.25 cw(c936.67,652.25) C13.2@919.74,669.18 ; D3.2@1296.15,438.17 cw(c1283.75,425.77) 1301.28,425.77 ; D3.2@1296.15,438.17 cw(c1283.75,425.77) 1301.28,425.77 ; D3.2@1296.15,438.17 cw(c1283.75,425.77) 1301.28,425.77 ; 1301.28,425.77 cw(c1318.82,425.77) D3.2@1306.42,438.17 ; 1301.28,425.77 cw(c1318.82,425.77) D3.2@1306.42,438.17 ; 1301.28,425.77 cw(c1318.82,425.77) D3.2@1306.42,438.17 ; D3.2@1311.34,438.17 cw(c1323.74,425.77) 1323.74,443.31 ; D3.2@1311.34,438.17 cw(c1323.74,425.77) 1323.74,443.31 ; D3.2@1311.34,438.17 cw(c1323.74,425.77) 1323.74,443.31 ; D3.2@1311.34,448.44 ccw(c1323.74,460.84) 1323.74,443.31 ; D3.2@1311.34,448.44 ccw(c1323.74,460.84) 1323.74,443.31 ; D3.2@1311.34,448.44 ccw(c1323.74,460.84) 1323.74,443.31 ; B1.1@1399.68,401.3 ccw(c1385.6,415.38) 1405.51,415.38 ; B1.1@1399.68,401.3 ccw(c1385.6,415.38) 1405.51,415.38 ; B1.1@1399.68,401.3 ccw(c1385.6,415.38) 1405.51,415.38 ; 1405.51,415.38 ccw(c1425.43,415.38) B1.1@1411.35,401.3 ; 1405.51,415.38 ccw(c1425.43,415.38) B1.1@1411.35,401.3 ; 1405.51,415.38 ccw(c1425.43,415.38) B1.1@1411.35,401.3 ; B1.1@1427.09,389.64 cw(c1441.17,375.56) 1441.17,395.47 ; B1.1@1427.09,389.64 cw(c1441.17,375.56) 1441.17,395.47 ; B1.1@1427.09,389.64 cw(c1441.17,375.56) 1441.17,395.47 ; B1.1@1427.09,401.3 ccw(c1441.17,415.38) 1441.17,395.47 ; B1.1@1427.09,401.3 ccw(c1441.17,415.38) 1441.17,395.47 ; B1.1@1427.09,401.3 ccw(c1441.17,415.38) 1441.17,395.47 ; 1646.48,93.92 cw(c1627.36,113.05) 1627.36,86 ccw(c1627.36,113.05) 1646.48,93.92 ; 1646.48,93.92 ccw(c1665.61,74.8) 1638.56,74.8 cw(c1665.61,74.8) 1646.48,93.92
VCC3: C6.1 C7.1 C10.1 C15.2 C16.2 D2.2 LS1.1 P1.1 R1.2 R3.1 R10.1 U1.12 U1.14 U3.1 U4.2 | length 7085.2
  Top Layer w8: P1.1@-206.69,702.95 -175,734.65 133.86,734.65 136.22,732.28 ; P1.1@-206.69,714.7 ccw(c-206.69,743.06) -186.64,723.01 ; P1.1@-206.69,714.7 ccw(c-206.69,743.06) -186.64,723.01 ; P1.1@-206.69,714.7 ccw(c-206.69,743.06) -186.64,723.01 ; P1.1@-194.94,702.95 cw(c-166.58,702.95) -186.64,723.01 ; P1.1@-194.94,702.95 cw(c-166.58,702.95) -186.64,723.01 ; P1.1@-194.94,702.95 cw(c-166.58,702.95) -186.64,723.01
  Top Layer w15: P1.1@-206.69,702.95 P1.1@-204.02,702.95 ; U3.1@-136.22,171.85 -129.72,178.35 v1(7.8,178.35) 62.6,233.15 v1(62.6,327.95) 136.22,401.57 136.22,732.28 154.83,750.9 936.9,750.9 974.02,713.78 974.02,577.56 1016.93,534.64 1848.2,534.64 LS1.1@1855.28,527.56 ; U3.1@-128.3,163.93 cw(c-93.5,129.13) -93.5,178.35 ccw(c-93.5,129.13) U3.1@-128.3,163.93 ; 1759.72,534.64 cw(c1759.72,432) 1832.3,504.58 ccw(c1759.72,432) 1759.72,534.64 ; 1793.92,534.64 ccw(c1793.92,588.92) 1832.3,550.54 cw(c1793.92,588.92) 1793.92,534.64 ; 1795.94,534.64 cw(c1795.94,468.21) 1842.91,515.18 ccw(c1795.94,468.21) 1795.94,534.64
  Bottom Layer w7: 389.77,451.57 U1.12@389.77,407.88 389.77,461.02 ; C6.1@389.77,534.72 389.77,461.02 ; 390.05,454.61 396.46,461.02 ; 390.56,466.73 396.46,460.83 ; U1.14@421.26,407.87 421.26,445.67 405.91,461.02 389.77,461.02 ; C6.1@385.17,530.13 cw(c374.05,519.01) 389.77,519.01 ; C6.1@385.17,530.13 cw(c374.05,519.01) 389.77,519.01 ; C6.1@385.17,530.13 cw(c374.05,519.01) 389.77,519.01 ; 389.77,519.05 cw(c405.44,519.05) C6.1@394.36,530.13 ; 389.77,519.05 cw(c405.44,519.05) C6.1@394.36,530.13 ; 389.77,519.05 cw(c405.44,519.05) C6.1@394.36,530.13
  Bottom Layer w15: C10.1@-15.75,178.35 v1(7.8,178.35) ; v1(62.6,327.95) R3.1@101.26,327.95 ; v1(136.22,589.76) 200.39,589.76 250.33,539.83 334.84,539.83 C7.1@334.97,539.96 ; v1@136.22,590.94 v1(136.22,609.84) ; C7.1@334.97,534.72 C6.1@389.76,534.72 ; R1.2@1551.38,643.62 R10.1@1597.64,643.62 1628.82,674.8 D2.2@1655.02,674.8 1655.02,594.59 1722.05,527.56 LS1.1@1855.28,527.56 1855.28,456.46 ; U4.2@1719.88,37.4 1728.35,45.87 C15.2@1775.92,45.87 1782.21,39.58 C16.2@1782.21,-16.54 ; C15.2@1781.69,45.87 1833.07,97.24 1833.07,174.8 1774.02,233.86 1774.02,375.2 1855.28,456.46 ; 310.51,539.83 ccw(c310.51,564.42) C7.1@327.9,547.03 ; 310.51,539.83 ccw(c310.51,564.42) C7.1@327.9,547.03 ; 310.51,539.83 ccw(c310.51,564.42) C7.1@327.9,547.03 ; 311.14,539.83 cw(c311.14,516.13) C7.1@327.9,532.89 ; 311.14,539.83 cw(c311.14,516.13) C7.1@327.9,532.89 ; 311.14,539.83 cw(c311.14,516.13) C7.1@327.9,532.89 ; C7.1@342.04,530.39 cw(c352.5,519.93) 352.5,534.72 ; C7.1@342.04,530.39 cw(c352.5,519.93) 352.5,534.72 ; C7.1@342.04,530.39 cw(c352.5,519.93) 352.5,534.72 ; C7.1@342.04,544.53 ccw(c365.72,568.21) 365.72,534.72 ; C7.1@342.04,544.53 ccw(c365.72,568.21) 365.72,534.72 ; C7.1@342.04,544.53 ccw(c365.72,568.21) 365.72,534.72 ; 1632.56,674.8 cw(c1632.56,657.27) D2.2@1644.96,669.67 ; 1632.56,674.8 ccw(c1632.56,692.34) D2.2@1644.96,679.94 ; 1632.56,674.8 cw(c1632.56,657.27) D2.2@1644.96,669.67 ; 1632.56,674.8 ccw(c1632.56,692.34) D2.2@1644.96,679.94 ; 1632.56,674.8 cw(c1632.56,657.27) D2.2@1644.96,669.67 ; 1632.56,674.8 ccw(c1632.56,692.34) D2.2@1644.96,679.94 ; D2.2@1649.88,669.67 cw(c1637.48,657.27) 1655.02,657.27 ; D2.2@1649.88,669.67 cw(c1637.48,657.27) 1655.02,657.27 ; D2.2@1649.88,669.67 cw(c1637.48,657.27) 1655.02,657.27 ; 1655.02,657.27 cw(c1672.55,657.27) D2.2@1660.15,669.67 ; 1655.02,657.27 cw(c1672.55,657.27) D2.2@1660.15,669.67 ; 1655.02,657.27 cw(c1672.55,657.27) D2.2@1660.15,669.67 ; U4.2@1727.8,29.48 cw(c1767.36,-10.08) C15.2@1767.36,45.87 ; U4.2@1727.8,29.48 cw(c1767.36,-10.08) C15.2@1767.36,45.87 ; U4.2@1727.8,29.48 cw(c1767.36,-10.08) C15.2@1767.36,45.87 ; 1751.77,45.87 cw(c1751.77,21.72) C15.2@1768.84,38.8 ; 1751.77,45.87 ccw(c1751.77,70.01) C15.2@1768.84,52.94 ; 1751.77,45.87 cw(c1751.77,21.72) C15.2@1768.84,38.8 ; 1751.77,45.87 ccw(c1751.77,70.01) C15.2@1768.84,52.94 ; 1751.77,45.87 cw(c1751.77,21.72) C15.2@1768.84,38.8 ; 1751.77,45.87 ccw(c1751.77,70.01) C15.2@1768.84,52.94 ; C15.2@1768.84,36.3 cw(c1736.59,4.04) 1782.21,4.04 ; C15.2@1768.84,36.3 cw(c1736.59,4.04) 1782.21,4.04 ; C15.2@1768.84,36.3 cw(c1736.59,4.04) 1782.21,4.04 ; C15.2@1775.92,58.37 ccw(c1775.92,102.49) 1807.12,71.29 ; C15.2@1775.92,58.37 ccw(c1775.92,102.49) 1807.12,71.29 ; C15.2@1775.92,58.37 ccw(c1775.92,102.49) 1807.12,71.29 ; 1776.82,527.56 cw(c1776.82,449.1) 1832.3,504.58 ccw(c1776.82,449.1) 1776.82,527.56 ; 1776.82,527.56 ccw(c1776.82,606.02) 1832.3,550.54 cw(c1776.82,606.02) 1776.82,527.56 ; 1813.03,527.56 cw(c1813.03,485.31) 1842.91,515.18 ccw(c1813.03,485.31) 1813.03,527.56 ; 1813.03,527.56 ccw(c1813.03,569.81) 1842.91,539.93 cw(c1813.03,569.81) 1813.03,527.56 ; 1855.28,456.47 cw(c1916.79,456.47) 1876.55,502.98 ccw(c1916.79,456.47) 1855.28,456.47 ; 1855.28,456.47 ccw(c1793.78,456.47) 1834.02,502.98 cw(c1793.78,456.47) 1855.28,456.47 ; R10.1@1601.37,647.36 cw(c1650.1,598.63) 1650.1,667.54 ccw(c1650.1,598.63) R10.1@1601.37,647.36 ; 1618.18,664.16 cw(c1635.28,647.07) 1646.67,668.4 ccw(c1635.28,647.07) 1618.18,664.16 ; 1626.98,672.96 cw(c1650.1,649.85) 1650.1,682.54 ccw(c1650.1,649.85) 1626.98,672.96 ; 1632.49,678.47 cw(c1645.24,665.72) 1653.74,681.63 ccw(c1645.24,665.72) 1632.49,678.47
XTAL_16M_I: C3.1 U1.16 Y1.1 | length 946.2
  Bottom Layer w7: C3.1@444.36,575.59 Y1.1@507.48,575.59 556.69,526.38 556.69,467.44 497.13,407.88 U1.16@452.76,407.88 ; C3.1@439.85,570.52 cw(c452.09,558.29) 452.09,575.59 ; C3.1@439.85,570.52 cw(c452.09,558.29) 452.09,575.59 ; C3.1@439.85,570.52 cw(c452.09,558.29) 452.09,575.59 ; C3.1@439.85,579.71 ccw(c449.8,589.67) 449.8,575.59 ; C3.1@439.85,579.71 ccw(c449.8,589.67) 449.8,575.59 ; C3.1@439.85,579.71 ccw(c449.8,589.67) 449.8,575.59 ; 456.36,575.59 cw(c456.36,529.39) 489.03,562.06 ccw(c456.36,529.39) 456.36,575.59 ; 456.36,575.59 ccw(c456.36,621.79) 489.03,589.12 cw(c456.36,621.79) 456.36,575.59 ; 473.26,575.59 cw(c473.26,546.29) 493.98,567.01 ccw(c473.26,546.29) 473.26,575.59 ; 473.26,575.59 ccw(c473.26,604.89) 493.98,584.17 cw(c473.26,604.89) 473.26,575.59 ; Y1.1@512.4,556.45 cw(c512.4,522.13) 536.67,546.4 ; Y1.1@512.4,556.45 cw(c512.4,522.13) 536.67,546.4 ; Y1.1@512.4,556.45 cw(c512.4,522.13) 536.67,546.4 ; Y1.1@524.54,575.59 ccw(c565.72,575.59) 536.6,546.47 ; Y1.1@524.54,575.59 ccw(c565.72,575.59) 536.6,546.47 ; Y1.1@524.54,575.59 ccw(c565.72,575.59) 536.6,546.47 ; Y1.1@531.54,575.59 ccw(c589.62,575.59) 548.55,534.52 ; Y1.1@531.54,575.59 ccw(c589.62,575.59) 548.55,534.52 ; Y1.1@531.54,575.59 ccw(c589.62,575.59) 548.55,534.52
XTAL_16M_O: C4.2 U1.17 Y1.3 | length 582.7
  Bottom Layer w7: U1.17@479.53,381.1 490.16,381.1 Y1.3@605.91,496.85 658.66,496.85 673.62,511.81 C4.2@673.62,535.12 ; 640.13,496.85 cw(c640.13,526.15) 619.41,505.43 ccw(c640.13,526.15) 640.13,496.85 ; 640.13,496.85 ccw(c640.13,467.55) 619.41,488.27 cw(c640.13,467.55) 640.13,496.85 ; 657.03,496.85 cw(c657.03,543.05) 624.36,510.38 ccw(c657.03,543.05) 657.03,496.85 ; 657.03,496.85 ccw(c657.03,450.65) 624.36,483.32 cw(c657.03,450.65) 657.03,496.85 ; C4.2@669.03,530.52 cw(c657.93,519.43) 673.62,519.43 ; C4.2@669.03,530.52 cw(c657.93,519.43) 673.62,519.43 ; C4.2@669.03,530.52 cw(c657.93,519.43) 673.62,519.43 ; 673.62,519.43 cw(c689.31,519.43) C4.2@678.22,530.52 ; 673.62,519.43 cw(c689.31,519.43) C4.2@678.22,530.52 ; 673.62,519.43 cw(c689.31,519.43) C4.2@678.22,530.52
pads on no net: E1. P1.6 TP1.1 TP2.1 U1.13 USB1.A5 USB1.B5
copper on no net: | length 47.2
  Top Layer w8: 123.23,734.25 136.22,721.26
  Bottom Layer w8: 136.22,609.84 136.61,609.84 156.69,589.76

## Polygon pours and split planes (outlines as drawn)
GND on Bottom Layer "GND" (solid, remove dead copper): -255.51,850.79 1947.64,850.79 1961.02,837.4 1968.9,829.53 1968.9,644.09 1968.9,-50.39 1961.02,-58.27 1957.48,-54.72 1811.42,-54.72 -254.72,-54.72 -255.12,-55.12
GND on Top Layer "GND" (solid, remove dead copper): -254.72,850.79 1948.42,850.79 1961.81,837.4 1969.69,829.53 1969.69,644.09 1969.69,-50.39 1961.81,-58.27 1958.27,-54.72 1812.21,-54.72 -253.94,-54.72 -254.33,-55.12

## Keep-outs
Keep-Out Layer:
  circle w0.39: c1535.83,732.68 r31.5
  circle w0.39: c1535.83,63.39 r31.5
  circle w0.39: c-78.35,791.73 r23.62
  circle w0.39: c-78.35,4.33 r23.62
  circle w0.39: c-176.77,4.33 r31.5
  circle w0.39: c-176.77,791.73 r31.5
  lines w0.39: -255.51,-54.72 49.61,-54.72 49.61,-5.51 266.14,-5.51 266.14,-54.72 797.64,-54.72 797.64,-5.51 1014.17,-5.51 1014.17,-54.72 1811.42,-54.72 1811.42,4.33 cw(c1909.84,4.33) 1909.84,102.76 1968.9,102.76 1968.9,693.31 1910.3,693.31 cw(c1909.84,791.73) 1811.42,791.73 1811.42,850.79 1014.17,850.79 1014.17,801.58 797.64,801.58 797.64,850.79 266.14,850.79 266.14,801.58 49.61,801.58 49.61,850.79 -255.51,850.79 -255.51,594.88 -98.03,594.88 cw(c-98.03,555.51) -58.66,555.51 -58.66,240.55 cw(c-98.03,240.55) -98.03,201.18 -255.51,201.18 -255.51,-54.72

## Other copper
Top Layer:
  rectangle net CHRG#KEY: 1451.18,364.57 1620.47,431.5
  region net VCC3: 146.06,622.05 126.38,622.05 126.38,583.07 146.06,583.07
  pour cut-out: 753.35,149.01 252.19,149.01 231.5,152.28 201.97,153.15 201.97,44.49 753.94,43.7
  pour cut-out: 753.54,740.16 250.79,740.94 233.46,732.9 231.69,705.29 217.72,676.38 217.72,645.67 770.47,647.64 770.47,740.94
  pour cut-out: 749.61,197.64 744.88,192.91 744.88,-54.72 1437.8,-54.72 1437.8,190.55 1430.71,197.64
Bottom Layer:
  rectangle net GND: 59.84,699.61 92.13,721.26
  rectangle net VCC3: 126.77,580.71 144.88,622.05
  pour cut-out: 499.61,598.82 590.16,598.82 596.46,592.52 632.68,570.47 633.07,516.93 484.25,516.93 482.68,518.5 482.68,592.91
  pour cut-out: 337.01,387.8 458.27,387.8 458.27,270.87 458.14,270.74 337.4,270.74 337.28,270.86
  pour cut-out: 749.61,197.64 744.88,192.91 744.88,-54.72 1437.8,-54.72 1437.8,190.55 1430.71,197.64

## Silkscreen, mask and mechanical layers (free items; w line width, h text height)
Top Overlay:
  text "MARK" at 1431.77,785.32 h40
  text "+" at 1156.69,202.36 h80
  text "MARK" at -66.65,47.13 h40
Bottom Overlay:
  text "MARK" at 1578.23,787.68 h40
  text "BT612-4/V1.0" at 766.14,760.63 h80
  text "1" at -223.62,749.61 h47.24
  text "+" at 1793.31,492.52 h80
  text "B+" at 1401.18,428.74 h40
  text "B-" at 1402.36,260.63 h40
  text "MARK" at 79.8,49.49 h40
Bottom Solder:
  rectangle: 744.88,-54.72 1438.19,197.64
Mechanical 1:
  circle w0.39: c-176.77,4.33 r51.18
  circle w0.39: c1535.83,63.39 r51.18
  circle w0.39: c1535.83,732.68 r51.18
  circle w0.39: c-176.77,791.73 r51.18
  circle w0.39: c1856.69,525.98 r19.68
  circle w0.39: c1856.69,270.08 r19.68
  lines w0.39: 1968.9,190.16 ccw(c1856.69,398.03) 1968.9,605.9
Mechanical 4:
  drawing of 2795 lines, arcs and shapes, not listed

## Text inside footprints (layer, text, board x,y; h text height)
U2: Mechanical 13 "10" at 843.58,665.75 h25 r90; Mechanical 13 "18" at 165.79,665.75 h25 r90; Mechanical 13 "9" at 840.22,86.52 h25 r90; Mechanical 13 "1" at 170.09,100.35 h25 r90